# Altium PCB Array.PcbDoc (continued)
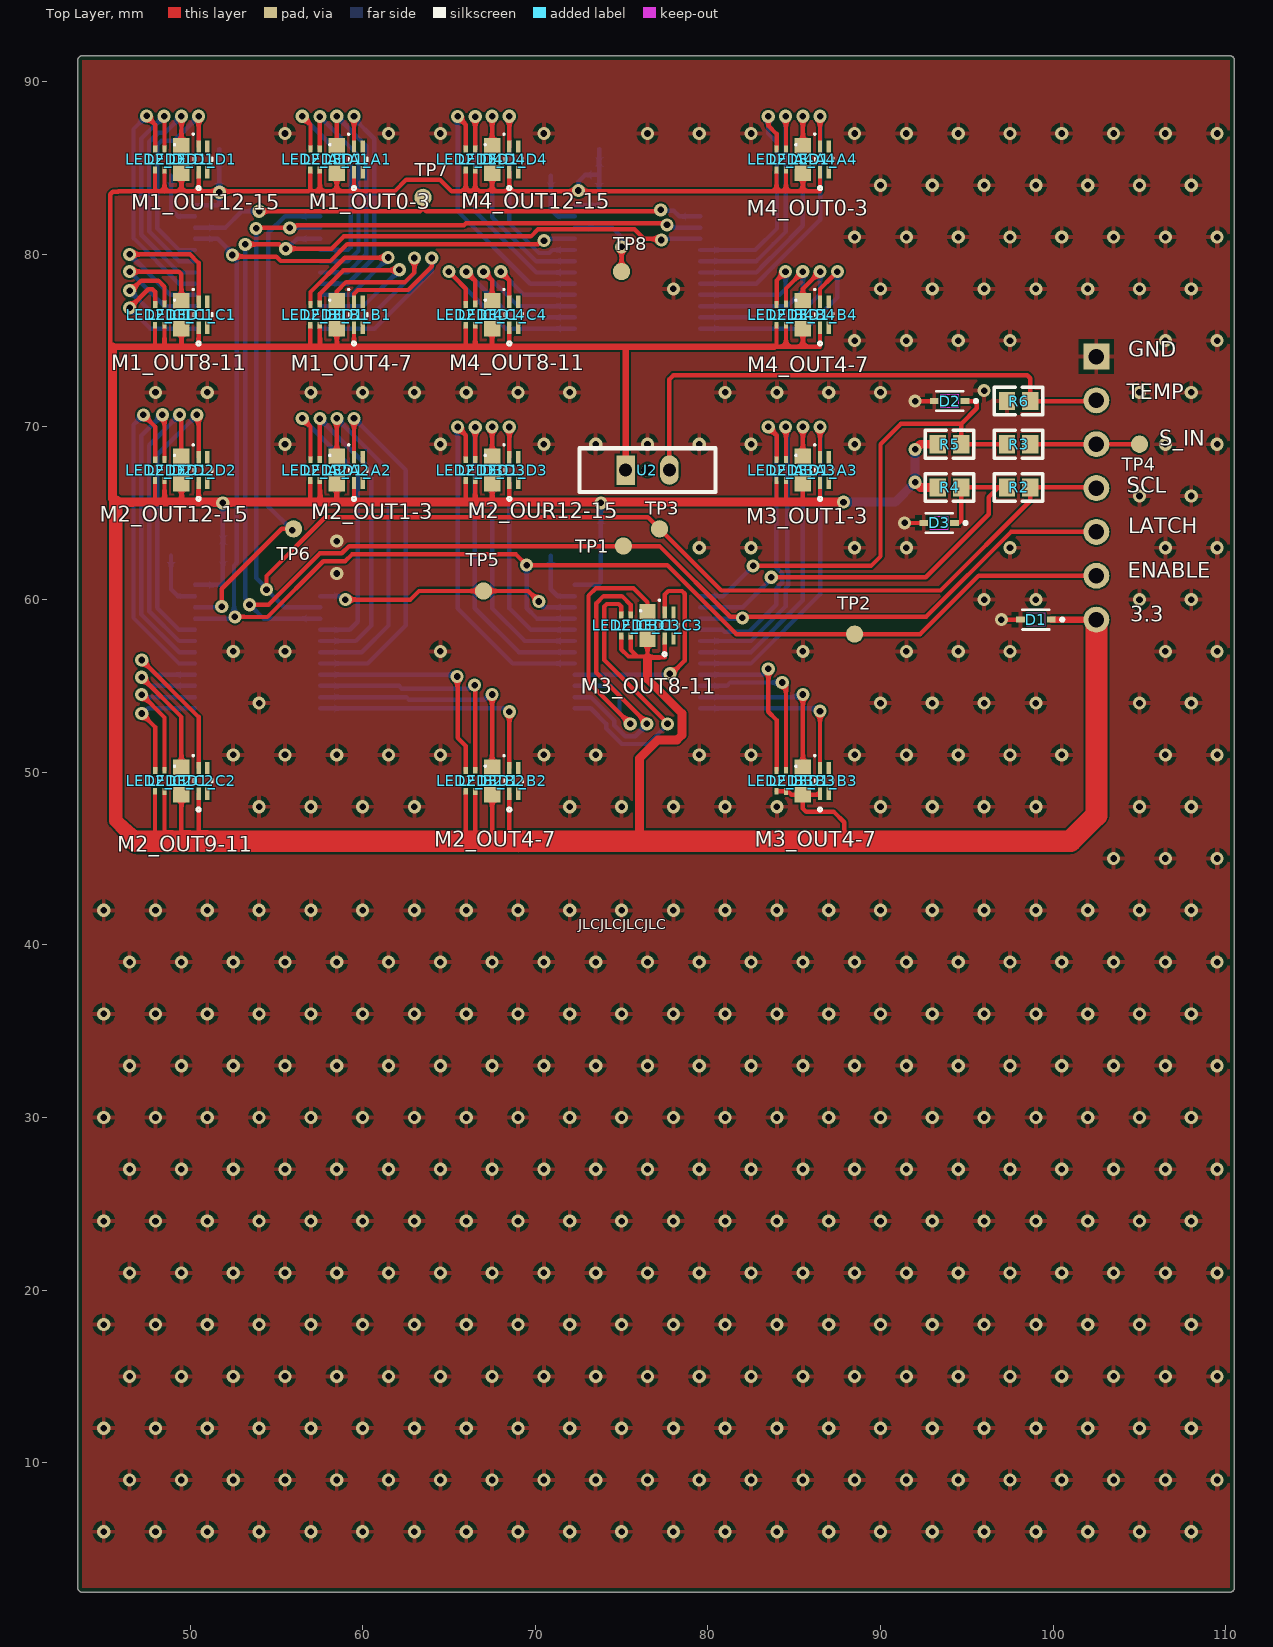
[diagram p0: Top Layer view]
## Part data
C1_M1 C1_M2 C1_M3 C1_M4 C2_M1 C2_M2 C2_M3 C2_M4: library part CMP-001-00000-10, "Non-polarized capacitor"
D1 D2 D3: library part CMP-245-000001-7, "3.3V ESD Diode", Mfr_Name="Eaton / Cooper Bussmann", Copyright="Copyright (C) 2023 Ultra Librarian. All rights reserved.", Design Item ID=STS521033B950, Manufacturer_Part_Number=STS521033B950, RefDes=RefDes, Source=STS521033B950.SchLib, Type=DEV
LED1_A1 LED1_A2 LED1_A3 LED1_A4 LED1_B1 LED1_B2 LED1_B3 LED1_B4 LED1_C1 LED1_C2 LED1_C3 LED1_C4 LED1_D1 LED1_D2 LED1_D3 LED1_D4: library part CMP-007-00006-3, "Dual Color LED, Super Bright Orange/green, Water Clear, 1.6mm", Mfr_Name=Kingbright, Design Item ID=APHB1608CGKSEKC, RoHS Compliant=Yes, Source=APHB1608CGKSEKC.SchLib
LED2_A1 LED2_A2 LED2_A3 LED2_A4 LED2_B1 LED2_B2 LED2_B3 LED2_B4 LED2_C1 LED2_C2 LED2_C3 LED2_C4 LED2_D1 LED2_D2 LED2_D3 LED2_D4: library part CMP-007-00009-2, "Blue, Red 470nm Blue, 630nm Red LED Indication - Discrete 3.1V Blue, 2V Red 0603 (1608 Metric)"
LED3_A1 LED3_A2 LED3_A3 LED3_A4 LED3_B1 LED3_B2 LED3_B3 LED3_B4 LED3_C1 LED3_C2 LED3_C3 LED3_C4 LED3_D1 LED3_D2 LED3_D3 LED3_D4: library part CMP-007-00008-2, "Infrared (IR) Emitter 850nm 1.7V 100mA 23mW/sr @ 100mA (Typ) 80° 0603 (1608 Metric)"
P1: library part CMP-005-000112-1, "Header, 7-Pin", Component Type=Standard, Design Item ID="Header 7", LatestRevisionDate=17-Jul-2002, LatestRevisionNote="Re-released for DXP Platform.", Pin Count=7, Publisher="Altium Limited", Source="Miscellaneous Connectors.SchLib"
R1_M1 R1_M2 R1_M3 R1_M4 R2 R3 R4 R5 R6: library part CMP-009-00002-14
TP1 TP2 TP3 TP4 TP5 TP6 TP7 TP8: library part CMP-002-00006-5, "In circuit test point for a net"
U1_M1 U1_M2 U1_M3 U1_M4: library part CMP-184-000001-2, "LED Driver IC 16 Output Linear Shift Register No Dimming 25.2mA 24-eTSSOP", Mfr_Name="Lumissil Microsystems", Design Item ID=IS31FL3726A-SALS4-TR, RefDes=RefDes, Source=IS31FL3726A-SALS4-TR.SchLib, Type=Type
U2: library part CMP-010-00023-4, "Serial Switch/Digital Sensor, 13 Bit(s), 0.75Cel, Rectangular, Through Hole Mount", Max Operating Temperature=125°C, Max Supply Voltage=5.5V, Min Operating Temperature=-40°C, Min Supply Voltage=2V, Datasheet=https://www.ti.com/lit/ds/symlink/lmt01-q1.pdf?HQS=dis-dk-null-digikeymode-dsf-pf-null-wwe&ts=1697411055213&ref_url=https%253A%252F%252Fwww.ti.com%252Fgeneral%252Fdocs%252Fsuppproductinfo.tsp%253FdistId%253D10%2526gotoUrl%253Dhttps%253A%252F%252Fwww.ti.com%252Flit%252Fgpn%252Flmt01-q1, Mounting Technology="Through Hole", RoHS Compliant=Yes, Sensor Type="TEMPERATURE SENSOR,SWITCH/DIGITAL OUTPUT,SERIAL"

## Via types
v1: diameter 0.762, hole 0.381, Top Layer to Bottom Layer, tented both sides, 515 vias
v2: diameter 0.762/0.762 (per signal layer), hole 0.381, Top Layer to Bottom Layer, tented both sides, 1 vias

## Nets (pads, with @x,y where several pads share a name; then routed paths per layer and width w, separated by ;. In a path a pad name is that pad's centre, name@x,y a point inside that pad or via, vN(x,y) a via of type N, cw(c..) or ccw(c..) an arc to the next point about the centre after c; other vN are vias at no path point)
+3.3: C1_M1.1 C1_M2.1 C1_M3.1 C1_M4.1 C2_M1.1 C2_M2.1 C2_M3.1 C2_M4.1 D1.1 LED1_A1.1 LED1_A2.1 LED1_A3.1 LED1_A4.1 LED1_B1.1 LED1_B2.1 LED1_B3.1 LED1_B4.1 LED1_C1.1 LED1_C2.1 LED1_C3.1 LED1_C4.1 LED1_D1.1 LED1_D2.1 LED1_D3.1 LED1_D4.1 LED2_A1.1 LED2_A1.2 LED2_A2.1 LED2_A2.2 LED2_A3.1 LED2_A3.2 LED2_A4.1 LED2_A4.2 LED2_B1.1 LED2_B1.2 LED2_B2.1 LED2_B2.2 LED2_B3.1 LED2_B3.2 LED2_B4.1 LED2_B4.2 LED2_C1.1 LED2_C1.2 LED2_C2.1 LED2_C2.2 LED2_C3.1 LED2_C3.2 LED2_C4.1 LED2_C4.2 LED2_D1.1 LED2_D1.2 LED2_D2.1 LED2_D2.2 LED2_D3.1 LED2_D3.2 LED2_D4.1 LED2_D4.2 LED3_A1.2 LED3_A2.2 LED3_A3.2 LED3_A4.2 LED3_B1.2 LED3_B2.2 LED3_B3.2 LED3_B4.2 LED3_C1.2 LED3_C2.2 LED3_C3.2 LED3_C4.2 LED3_D1.2 LED3_D2.2 LED3_D3.2 LED3_D4.2 P1.7 R4.1 R5.1 U1_M1.24 U1_M2.24 U1_M3.24 U1_M4.24 U2.1 | length 380.6
  Top Layer w0.254: 45.444,74.645 45.381,74.645 45.381,83.474 45.53,83.623 45.826,83.623 45.849,83.645 48.092,83.645 ; LED2_C2.2 47.973,46.027 48,46 ; 47.973,65.764 LED2_D2.2 ; LED2_C1.2 47.973,74.764 48.092,74.645 ; LED2_D1.2 47.973,83.764 48.092,83.645 ; LED2_C2.1 48.522,46.478 49,46 ; 48.522,65.645 LED2_D2.1 ; 48.522,74.645 LED2_C1.1 ; LED2_D1.1 48.522,83.645 ; LED3_C2.2 49.5,46.5 50,46 ; 49.5,65.645 LED3_D2.2 ; 49.5,74.645 LED3_C1.2 ; LED3_D1.2 49.5,83.645 ; LED1_C2.1 50.496,46.504 51,46 ; 50.496,65.645 LED1_D2.1 ; 50.496,74.645 LED1_C1.1 ; LED1_D1.1 50.496,83.645 ; v1(51.9,65.6) v1@51.945,65.645 ; LED2_A2.2 56.973,65.764 57.092,65.645 ; LED2_B1.2 56.973,74.764 57.092,74.645 ; LED2_A1.2 56.973,83.764 57.092,83.645 ; 57.522,65.645 LED2_A2.1 ; 57.522,74.645 LED2_B1.1 ; LED2_A1.1 57.522,83.645 ; 58.5,65.645 LED3_A2.2@58.5,66.7 ; 58.5,74.645 LED3_B1.2@58.5,75.7 ; LED3_A1.2@58.5,84.7 58.5,83.645 ; 59.496,65.645 LED1_A2.1 ; 59.496,74.645 LED1_B1.1 ; LED1_A1.1 59.496,83.645 ; LED2_B2.2 65.973,46.027 66,46 ; LED2_D3.2 65.973,65.764 66.092,65.645 ; LED2_C4.2 65.973,74.764 66.092,74.645 ; LED2_D4.2 65.973,83.645 ; LED2_B2.1 66.522,46.478 67,46 ; 66.522,65.645 LED2_D3.1 ; 66.522,74.645 LED2_C4.1 ; LED2_D4.1 66.522,83.645 ; LED3_B2.2 67.5,46.5 68,46 ; 67.5,65.645 LED3_D3.2 ; 67.5,74.645 LED3_C4.2 ; LED3_D4.2 67.5,83.645 ; LED1_B2.1 68.496,46.504 69,46 ; 68.496,65.645 LED1_D3.1 ; 68.496,74.645 LED1_C4.1 ; LED1_D4.1 68.496,83.645 ; LED2_C3.2 74.973,57.127 75.4,56.7 75.923,56.7 ; LED2_C3.1 75.522,57.1 75.923,56.7 ; LED3_C3.2 76.5,56.645 ; LED1_C3.1 77.496,56.645 76.5,56.645 ; LED2_B3.2 84.098,48.895 84.101,48.892 LED2_B3.1 84.647,48.892 84.839,48.7 LED3_B3.2 ; LED2_A3.2@83.973,66.822 83.973,65.705 84.032,65.645 ; LED2_B4.2 83.973,74.764 83.854,74.645 84.522,74.645 ; LED2_A4.2@83.973,84.822 83.973,83.645 ; 84.522,65.645 LED2_A3.1 ; LED2_B4.1 84.522,74.645 ; LED2_A4.1 84.522,83.645 ; 85.5,65.645 LED3_A3.2 ; LED3_B4.2 85.5,74.645 ; LED3_A4.2 85.5,83.645 ; 86.318,48.7 LED3_B3.2 ; LED1_B3.1@86.369,48.751 LED1_B3.1 ; 86.496,65.645 LED1_A3.1 ; LED1_B4.1 86.496,74.645 85.5,74.645 ; LED1_A4.1 86.496,83.645 85.5,83.645 ; 88,46 87.9,46.1 87.9,47.1 87.3,47.7 85.7,47.7 85.5,47.9 LED3_B3.2 ; 48.092,83.645 48.522,83.645 ; 48.522,83.645 49.5,83.645 ; 49.5,83.645 50.496,83.645 ; 50.496,83.645 57.092,83.645 ; 57.092,83.645 57.522,83.645 ; 57.522,83.645 58.5,83.645 ; 58.5,83.645 59.496,83.645 ; 59.496,83.645 61.845,83.645 62.53,84.33 64.47,84.33 65.155,83.645 65.973,83.645 ; 65.973,83.645 66.522,83.645 ; 66.522,83.645 67.5,83.645 ; 67.5,83.645 68.496,83.645 ; 68.496,83.645 72.445,83.645 v1(72.5,83.7) 72.555,83.645 83.973,83.645 ; 75.923,56.7 76.445,56.7 76.5,56.645 ; 83.973,83.645 84.522,83.645 ; 84.522,74.645 85.5,74.645 ; 84.522,83.645 85.5,83.645
  Top Layer w0.381: 45.444,74.645 45.508,74.645 48.092,74.645 48.522,74.645 49.5,74.645 50.496,74.645 57.092,74.645 57.522,74.645 58.5,74.645 59.496,74.645 66.092,74.645 66.522,74.645 67.5,74.645 68.496,74.645 75.23,74.645 ; U2.1 75.23,74.645 ; 83.854,74.645 75.23,74.645 ; D1.1 P1.7
  Top Layer w0.508: 45.508,74.645 45.508,65.837 45.7,65.645 48.522,65.645 49.5,65.645 50.496,65.645 51.945,65.645 57.092,65.645 57.522,65.645 58.5,65.645 59.496,65.645 62.305,65.645 62.309,65.649 65.117,65.649 65.121,65.645 66.092,65.645 66.522,65.645 67.5,65.645 68.496,65.645 v1@73.8,65.645 ; v1(73.8,65.6) 73.845,65.645 84.032,65.645 84.522,65.645 85.5,65.645 86.496,65.645 v1(87.855,65.645) ; 76.041,46 76.041,50.805 77.098,51.862 78.202,51.862 78.5,52.159 78.5,53.4 76.5,55.4 76.5,56.645 ; v1(92,66.798) 92.298,66.5 R4.1 ; v1(92,68.702) 92.298,69 R5.1
  Top Layer w0.762: 45.7,65.645 45.7,47.189 46.889,46
  Top Layer w1.27: 46.889,46 48,46 49,46 50,46 51,46 66,46 67,46 68,46 69,46 76.041,46 88,46 101,46 102.5,47.5 P1.7
  Bottom Layer w0.254: U1_M2.24 51.781,60.85 51.9,60.969 C2_M2.1 C1_M2.1 51.9,64.8 v1(51.9,65.6) ; U1_M1.24 51.581,82.85 51.7,82.969 C1_M1.1 C2_M1.1 ; U1_M3.24 73.651,60.85 73.8,60.999 C1_M3.1 v1(73.8,65.6) ; U1_M4.24 73.581,82.85 73.7,82.969 C1_M4.1 C2_M4.1 ; v1(72.5,83.7) 72.5,84.2 72.9,84.6 C1_M4.1
  Bottom Layer w0.508: v1(87.855,65.645) 90.848,65.645 v1(92,66.798) v1(92,68.702)
  other v1: 51.7,83.6
ENABLE: P1.6 TP2.1 U1_M1.21 U1_M2.21 U1_M3.21 U1_M4.21 | length 107
  Top Layer w0.254: v1(52.453,79.961) 52.55,79.864 55.004,79.864 55.252,79.617 58.131,79.617 59.098,80.583 70.157,80.583 70.368,80.794 v1(70.505,80.794) ; v1(52.6,59) 53.141,59 53.15,58.991 54.485,58.991 57.715,62.22 58.984,62.22 59.38,62.616 68.884,62.616 v1(69.5,62) 69.587,61.913 69.673,62 77.647,62 81.647,58 TP2.1 92.302,58 95.682,61.38 P1.6
  Bottom Layer w0.254: U1_M2.21 51.52,58.9 51.541,58.879 52.342,58.879 52.463,59 v1(52.6,59) 52.548,59.052 52.548,61.976 52.705,62.133 52.705,79.657 52.5,79.863 v1@52.5,80 ; U1_M1.21 51.6,80.9 52.453,80.047 v1(52.453,79.961) ; v1(69.5,62) 69.5,59.5 70.1,58.9 U1_M3.21 ; v1(70.505,80.794) 70.643,80.794 70.749,80.9 U1_M4.21
GND: C1_M1.2 C1_M2.2 C1_M3.2 C1_M4.2 C2_M1.2 C2_M2.2 C2_M3.2 C2_M4.2 D1.2 D2.2 D3.2 P1.1 R1_M1.2 R1_M2.2 R1_M3.2 R1_M4.2 R6.1 U1_M1.1 U1_M2.1 U1_M3.1 U1_M4.1 | length 3.5
  Top Layer w0.254: v1(91.396,64.44) D3.2@92.571,64.44 ; v1(92,71.5) D2.2@93.175,71.5 ; v1(97,58.84) D1.2@98.175,58.84
  other v1: 45,6 48,6 51,6 54,6 57,6 60,6 63,6 66,6 69,6 72,6 75,6 78,6 81,6 84,6 87,6 90,6 93,6 96,6 99,6 102,6 105,6 108,6 46.5,9 49.5,9 52.5,9 55.5,9 58.5,9 61.5,9 64.5,9 67.5,9 70.5,9 73.5,9 76.5,9 79.5,9 82.5,9 85.5,9 88.5,9 91.5,9 94.5,9 97.5,9 100.5,9 103.5,9 106.5,9 109.5,9 45,12 48,12 51,12 54,12 57,12 60,12 63,12 66,12 69,12 72,12 75,12 78,12 81,12 84,12 87,12 90,12 93,12 96,12 99,12 102,12 105,12 108,12 46.5,15 49.5,15 52.5,15 55.5,15 58.5,15 61.5,15 64.5,15 67.5,15 70.5,15 73.5,15 76.5,15 79.5,15 82.5,15 85.5,15 88.5,15 91.5,15 94.5,15 97.5,15 100.5,15 103.5,15 106.5,15 109.5,15 45,18 48,18 51,18 54,18 57,18 60,18 63,18 66,18 69,18 72,18 75,18 78,18 81,18 84,18 87,18 90,18 93,18 96,18 99,18 102,18 105,18 108,18 46.5,21 49.5,21 52.5,21 55.5,21 58.5,21 61.5,21 64.5,21 67.5,21 70.5,21 73.5,21 76.5,21 79.5,21 82.5,21 85.5,21 88.5,21 91.5,21 94.5,21 97.5,21 100.5,21 103.5,21 106.5,21 109.5,21 45,24 48,24 51,24 54,24 57,24 60,24 63,24 66,24 69,24 72,24 75,24 78,24 81,24 84,24 87,24 90,24 93,24 96,24 99,24 102,24 105,24 108,24 46.5,27 49.5,27 52.5,27 55.5,27 58.5,27 61.5,27 64.5,27 67.5,27 70.5,27 73.5,27 76.5,27 79.5,27 82.5,27 85.5,27 88.5,27 91.5,27 94.5,27 97.5,27 100.5,27 103.5,27 106.5,27 109.5,27 45,30 48,30 51,30 54,30 57,30 60,30 63,30 66,30 69,30 72,30 75,30 78,30 81,30 84,30 87,30 90,30 93,30 96,30 99,30 102,30 105,30 108,30 46.5,33 49.5,33 52.5,33 55.5,33 58.5,33 61.5,33 64.5,33 67.5,33 70.5,33 73.5,33 76.5,33 79.5,33 82.5,33 85.5,33 88.5,33 91.5,33 94.5,33 97.5,33 100.5,33 103.5,33 106.5,33 109.5,33 45,36 48,36 51,36 54,36 57,36 60,36 63,36 66,36 69,36 72,36 75,36 78,36 81,36 84,36 87,36 90,36 93,36 96,36 99,36 102,36 105,36 108,36 46.5,39 49.5,39 52.5,39 55.5,39 58.5,39 61.5,39 64.5,39 67.5,39 73.5,39 76.5,39 79.5,39 82.5,39 85.5,39 88.5,39 91.5,39 94.5,39 97.5,39 100.5,39 103.5,39 106.5,39 109.5,39 45,42 48,42 51,42 54,42 57,42 60,42 63,42 66,42 69,42 72,42 75,42 78,42 81,42 84,42 87,42 90,42 93,42 96,42 99,42 102,42 105,42 108,42 103.5,45 106.5,45 109.5,45 54,48 57,48 60,48 63,48 72,48 75,48 78,48 81,48 84,48 90,48 93,48 96,48 99,48 105,48 108,48 52.5,51 55.5,51 58.5,51 61.5,51 64.5,51 70.5,51 73.5,51 79.5,51 82.5,51 88.5,51 91.5,51 94.5,51 97.5,51 100.5,51 106.5,51 109.5,51 54,54 90,54 93,54 96,54 99,54 105,54 108,54 52.5,57 55.5,57 64.5,57 85.5,57 91.5,57 94.5,57 97.5,57 106.5,57 109.5,57 96,60 99,60 105,60 108,60 58.5,61.509 79.5,63 82.5,63 88.5,63 91.5,63 97.5,63 106.5,63 109.5,63 58.5,63.389 105,66 108,66 55.5,69 64.5,69 70.5,69 73.5,69 76.5,69 79.5,69 82.5,69 88.5,69 106.5,69 109.5,69 48,72 51,72 57,72 60,72 63,72 66,72 69,72 72,72 81,72 84,72 87,72 90,72 105,72 108,72 96,72.108 88.5,75 91.5,75 94.5,75 97.5,75 106.5,75 109.5,75 78,78 90,78 93,78 96,78 99,78 102,78 105,78 108,78 88.5,81 91.5,81 94.5,81 97.5,81 100.5,81 103.5,81 106.5,81 109.5,81 90,84 93,84 96,84 99,84 102,84 105,84 108,84 55.5,87 61.5,87 64.5,87 70.5,87 76.5,87 79.5,87 82.5,87 88.5,87 91.5,87 94.5,87 97.5,87 100.5,87 103.5,87 106.5,87 109.5,87
  other v2: 70.5,39
LATCH: P1.5 TP1.1 U1_M1.4 U1_M2.4 U1_M3.4 U1_M4.4 | length 111.5
  Top Layer w0.254: v1(53.197,80.576) 55.161,80.576 55.409,80.328 58.196,80.328 58.909,81.04 69.746,81.04 70.156,81.451 75.749,81.451 76.3,80.9 77.237,80.9 v1(77.308,80.829) ; v1(53.445,59.702) 53.454,59.711 54.559,59.711 57.525,62.678 58.795,62.678 59.217,63.1 75.032,63.1 TP1.1@75.066,63.134 ; TP1.1 77.193,63.1 81.293,59 81.942,59 v1(82,58.942) ; v1@82,59 92.64,59 97.56,63.92 P1.5
  Bottom Layer w0.254: v1(53.197,80.576) 53.197,60.087 53.445,59.839 v1(53.445,59.702) ; v1@53.445,59.67 53.491,59.67 54.262,58.9 U1_M2.4 ; v1(55.547,80.328) 55.709,80.49 55.716,80.49 55.884,80.658 55.964,80.658 56.206,80.9 U1_M1.4 ; v1(77.308,80.829) 77.378,80.9 U1_M4.4 ; U1_M3.4 81.958,58.9 v1(82,58.942)
NetR1_M1_1: R1_M1.1 U1_M1.23 | length 3.5
  Bottom Layer w0.254: R1_M1.1 48.9,82.6 49.3,82.2 U1_M1.23
NetR1_M2_1: R1_M2.1 U1_M2.23 | length 3.5
  Bottom Layer w0.254: R1_M2.1 48.9,60.6 49.3,60.2 U1_M2.23
NetR1_M3_1: R1_M3.1 U1_M3.23 | length 3.5
  Bottom Layer w0.254: R1_M3.1 70.9,60.6 71.3,60.2 U1_M3.23
NetR1_M4_1: R1_M4.1 U1_M4.23 | length 3.5
  Bottom Layer w0.254: R1_M4.1 70.9,82.6 71.3,82.2 U1_M4.23
OUT0_D11: LED2_A1.3 U1_M1.6 | length 13
  Top Layer w0.254: LED2_A1.3 v1@57.522,87.978
  Bottom Layer w0.254: v1(57.52,87.98) 57.52,87.974 57.786,87.708 57.786,87.703 59.757,85.731 59.757,80.209 59.148,79.6 U1_M1.6
OUT0_D12: LED2_A2.3 U1_M2.6 | length 18.9
  Top Layer w0.254: LED2_A2.3 v1@57.522,70.483
  Bottom Layer w0.254: v1(57.52,70.484) 57.52,70.479 60.5,67.499 60.5,58.5 59.6,57.6 U1_M2.6
OUT0_D13: LED2_A3.3 U1_M3.6 | length 18.2
  Top Layer w0.254: v1(84.502,70.002) 84.522,69.982 LED2_A3.3
  Bottom Layer w0.254: U1_M3.6 82.498,57.6 84.502,59.604 84.502,60.675 84.664,60.837 84.664,61.634 84.6,61.699 84.6,69.905 v1(84.502,70.002)
OUT0_D14: LED2_A4.3 U1_M4.6 | length 14.3
  Top Layer w0.254: v1(84.5,88) 84.522,87.978 LED2_A4.3
  Bottom Layer w0.254: U1_M4.6 82.801,79.6 82.872,79.67 82.872,79.676 83.824,80.628 83.83,80.628 84.5,81.299 v1(84.5,88)
OUT1_D11: LED1_A1.2 U1_M1.8 | length 14.2
  Top Layer w0.254: LED1_A1.2 59.496,87.996 v1(59.5,88)
  Bottom Layer w0.254: U1_M1.8 59.141,78.3 60.672,79.831 60.672,86.698 59.5,87.87 v1(59.5,88)
OUT1_D12: LED1_A2.2 U1_M2.8 | length 21.4
  Top Layer w0.254: LED1_A2.2 59.496,70.496 v1(59.5,70.5)
  Bottom Layer w0.254: U1_M2.8 60.3,56.3 62.5,58.5 62.5,67.5 v1(59.5,70.5)
OUT1_D13: LED1_A3.2 U1_M3.8 | length 20.1
  Top Layer w0.254: LED1_A3.2 86.496,69.996 v1(86.5,70)
  Bottom Layer w0.254: U1_M3.8 82.491,56.3 86.5,60.309 v1(86.5,70)
OUT1_D14: LED1_A4.2 U1_M4.8 | length 16.2
  Top Layer w0.254: LED1_A4.2 86.496,87.996 v1(86.5,88)
  Bottom Layer w0.254: U1_M4.8 82.794,78.3 83.786,79.292 83.786,79.297 84.203,79.714 84.208,79.714 86.5,82.006 v1(86.5,88)
OUT2_D11: LED2_A1.4 U1_M1.5 | length 12.7
  Top Layer w0.254: v1(56.497,87.997) 56.978,87.516 LED2_A1.4
  Bottom Layer w0.254: v1(56.497,87.997) 59.3,85.194 59.3,80.399 59.151,80.25 U1_M1.5
OUT2_D12: LED2_A2.4 U1_M2.5 | length 18.1
  Top Layer w0.254: v1(56.5,70.499) 56.978,70.021 LED2_A2.4
  Bottom Layer w0.254: v1(56.5,70.499) 59.711,67.288 59.711,58.711 59.25,58.25 U1_M2.5
OUT2_D13: LED2_A3.4 U1_M3.5 | length 18
  Top Layer w0.254: v1(83.5,70) 83.978,69.521 LED2_A3.4
  Bottom Layer w0.254: U1_M3.5 80.84,58.25 80.962,58.128 82.379,58.128 82.502,58.25 83.957,59.705 83.957,60.63 84.31,60.984 84.31,61.487 84.276,61.522 84.276,61.542 83.957,61.861 83.957,69.543 v1(83.5,70)
OUT2_D14: LED2_A4.4 U1_M4.5 | length 13.8
  Top Layer w0.254: v1(83.5,87.994) 83.5,87.456 83.978,86.978 LED2_A4.4
  Bottom Layer w0.254: U1_M4.5 82.75,80.25 84,81.5 84,86.5 83.5,87 v1(83.5,87.994)
OUT3_D11: LED3_A1.1 U1_M1.7 | length 13.5
  Top Layer w0.254: LED3_A1.1 v1@58.5,87.994
  Bottom Layer w0.254: U1_M1.7 59.144,78.95 60.214,80.02 60.214,86.28 v1(58.497,87.997)
OUT3_D12: LED3_A2.1 U1_M2.7 | length 20
  Top Layer w0.254: LED3_A2.1 58.5,70.494 v1(58.505,70.5)
  Bottom Layer w0.254: U1_M2.7 59.95,56.95 61.5,58.5 61.5,67.494 58.505,70.489 v1(58.505,70.5)
OUT3_D13: LED3_A3.1 U1_M3.7 | length 18.9
  Top Layer w0.254: LED3_A3.1 v1(85.5,70)
  Bottom Layer w0.254: U1_M3.7 82.495,56.95 85.5,59.955 v1(85.5,70)
OUT3_D14: LED3_A4.1 U1_M4.7 | length 15.1
  Top Layer w0.254: LED3_A4.1 v1(85.5,88)
  Bottom Layer w0.254: U1_M4.7 82.798,78.95 83.329,79.481 83.329,79.487 84.013,80.171 84.019,80.171 85.5,81.652 v1(85.5,88)
OUT4_D11: LED2_B1.3 U1_M1.10 | length 11.2
  Top Layer w0.254: LED2_B1.3 57.522,77.714 58.886,79.078 62.101,79.078 v1(62.127,79.103)
  Bottom Layer w0.254: U1_M1.10 60.049,77 62.127,79.078 v1(62.127,79.103)
OUT4_D12: LED2_B2.3 U1_M2.10 | length 14
  Top Layer w0.254: v1(66.485,55.046) 66.522,55.009 LED2_B2.3
  Bottom Layer w0.254: U1_M2.10 62.112,55 62.276,54.836 66.137,54.836 66.333,55.032 v1@66.47,55.032
OUT4_D13: LED2_B3.3 U1_M3.10 | length 10
  Top Layer w0.254: v1(84.305,55.195) 84.522,54.978 LED2_B3.3
  Bottom Layer w0.254: U1_M3.10 81.091,55 81.285,55.195 v1(84.305,55.195)
OUT4_D14: LED2_B4.3 U1_M4.10 | length 9.7
  Top Layer w0.254: LED2_B4.3 84.522,78.022 v1(85.497,78.997)
  Bottom Layer w0.254: U1_M4.10 84.6,77 85.497,77.897 v1(85.497,78.997)
OUT5_D11: LED1_B1.2 U1_M1.12 | length 14.7
  Top Layer w0.254: LED1_B1.2 59.496,77.705 59.726,77.935 62.636,77.935 64,79.299 v1(64,79.789)
  Bottom Layer w0.254: U1_M1.12 60.7,75.7 64,79 v1(64,79.789)
OUT5_D12: LED1_B2.2 U1_M2.12 | length 14.3
  Top Layer w0.254: LED1_B2.2 68.496,53.496 v1(68.5,53.5)
  Bottom Layer w0.254: U1_M2.12 68.163,53.7 68.363,53.5 v1(68.5,53.5)
OUT5_D13: LED1_B3.2 U1_M3.12 | length 10.3
  Top Layer w0.254: LED1_B3.2 v1(86.496,53.543)
  Bottom Layer w0.254: U1_M3.12 86.339,53.7 v1(86.496,53.543)
OUT5_D14: LED1_B4.2 U1_M4.12 | length 12.4
  Top Layer w0.254: LED1_B4.2 86.496,77.99 87.208,78.703 87.208,78.708 v1(87.5,79)
  Bottom Layer w0.254: U1_M4.12 85.7,75.7 87.5,77.5 v1(87.5,79)
OUT6_D11: LED2_B1.4 U1_M1.9 | length 10.9
  Top Layer w0.254: LED2_B1.4 56.978,77.817 58.963,79.802 61.461,79.802 v1(61.476,79.816)
  Bottom Layer w0.254: U1_M1.9 59.337,77.65 61.476,79.789 v1(61.476,79.816)
OUT6_D12: LED2_B2.4 U1_M2.9 | length 13.7
  Top Layer w0.254: v1@65.443,55.575 65.5,55.518 65.5,51.994 65.978,51.516 LED2_B2.4
  Bottom Layer w0.254: U1_M2.9 65.231,55.65 65.334,55.547 v1(65.472,55.547)
OUT6_D13: LED2_B3.4 U1_M3.9 | length 10.2
  Top Layer w0.254: v1(83.5,55.982) 83.5,53.5 83.978,53.022 LED2_B3.4
  Bottom Layer w0.254: U1_M3.9 80.826,55.65 80.828,55.652 83.17,55.652 v1(83.5,55.982)
OUT6_D14: LED2_B4.4 U1_M4.9 | length 8.2
  Top Layer w0.254: LED2_B4.4 83.978,78.484 v1(84.497,79.003)
  Bottom Layer w0.254: U1_M4.9 84.15,77.65 84.497,77.997 v1(84.497,79.003)
OUT7_D11: LED3_B1.1 U1_M1.11 | length 13.7
  Top Layer w0.254: LED3_B1.1 58.5,77.85 59.042,78.392 62.447,78.392 63,78.945 v1(63,79.789)
  Bottom Layer w0.254: U1_M1.11 60.429,76.35 63,78.921 v1(63,79.789)
OUT7_D12: LED3_B2.1 U1_M2.11 | length 14.3
  Top Layer w0.254: v1@67.403,54.403 v1(67.5,54.5) LED3_B2.1
  Bottom Layer w0.254: U1_M2.11 62.537,54.35 62.687,54.2 67.063,54.2 67.265,54.403 v1@67.403,54.403
OUT7_D13: LED3_B3.1 U1_M3.11 | length 10.2
  Top Layer w0.254: LED3_B3.1 v1(85.5,54.5)
  Bottom Layer w0.254: U1_M3.11 85.35,54.35 v1(85.5,54.5)
OUT7_D14: LED3_B4.1 U1_M4.11 | length 10.9
  Top Layer w0.254: LED3_B4.1 85.5,77.994 86.497,78.991 v1(86.497,78.997)
  Bottom Layer w0.254: U1_M4.11 85.15,76.35 86.497,77.697 v1(86.497,78.997)
OUT8_D11: LED2_C1.3 U1_M1.14 | length 7.9
  Top Layer w0.254: v1(46.5,77.9) 46.599,77.9 47.178,78.479 48.167,78.479 48.522,78.124 48.522,77.978 LED2_C1.3
  Bottom Layer w0.254: v1(46.5,77.9) 48.05,76.35 U1_M1.14
OUT8_D12: LED2_C2.3 U1_M2.14 | length 8.1
  Top Layer w0.254: v1(47.197,54.497) 48.522,53.172 LED2_C2.3
  Bottom Layer w0.254: v1(47.197,54.497) 47.335,54.497 47.482,54.35 U1_M2.14
OUT8_D13: LED2_C3.3 U1_M3.14 | length 16.7
  Top Layer w0.254: LED2_C3.3 75.522,59.7 75.019,60.203 73.959,60.203 73.543,59.787 73.543,55.763 76.465,52.841 v1(76.465,52.8)
  Bottom Layer w0.254: U1_M3.14 73.213,54.35 74.572,52.991 74.572,52.722 75.205,52.089 75.795,52.089 76.465,52.759 v1(76.465,52.8)
OUT8_D14: LED2_C4.3 U1_M4.14 | length 9.5
  Top Layer w0.254: v1(66.003,78.991) 66.003,78.986 66.522,78.466 LED2_C4.3
  Bottom Layer w0.254: v1(66.003,78.991) 66.289,78.705 66.289,78.7 68.638,76.35 U1_M4.14
OUT9_D11: LED1_C1.2 U1_M1.16 | length 11.2
  Top Layer w0.254: v1(46.5,80) 50,80 50.496,79.504 50.496,78 LED1_C1.2
  Bottom Layer w0.254: v1(46.5,80) 46.506,80 48.856,77.65 U1_M1.16
OUT9_D12: LED1_C2.2 U1_M2.16 | length 11.1
  Top Layer w0.254: v1(47.2,56.5) 50.496,53.204 LED1_C2.2
  Bottom Layer w0.254: v1(47.2,56.5) 48.05,55.65 U1_M2.16
OUT9_D13: LED1_C3.2 U1_M3.16 | length 13
  Top Layer w0.254: LED1_C3.2 77.496,60.296 77.7,60.5 78.5,60.5 78.664,60.336 78.664,56.464 77.9,55.7 v1(77.8,55.7)
  Bottom Layer w0.254: U1_M3.16 77.75,55.65 v1(77.8,55.7)
OUT9_D14: LED1_C4.2 U1_M4.16 | length 6.8
  Top Layer w0.254: v1(68,79) 68.496,78.504 LED1_C4.2
  Bottom Layer w0.254: v1(68,79) 69.35,77.65 U1_M4.16
OUT10_D11: LED2_C1.4 U1_M1.13 | length 7
  Top Layer w0.254: v1(46.497,76.897) 46.503,76.897 47.584,77.978 47.829,77.978 47.978,77.829 LED2_C1.4
  Bottom Layer w0.254: v1(46.497,76.897) 46.503,76.897 47.7,75.7 U1_M1.13
OUT10_D12: LED2_C2.4 U1_M2.13 | length 6.8
  Top Layer w0.254: v1(47.2,53.4) 47.978,52.622 LED2_C2.4
  Bottom Layer w0.254: v1(47.2,53.4) 47.28,53.4 47.58,53.7 U1_M2.13
OUT10_D13: LED2_C3.4 U1_M3.13 | length 16.8
  Top Layer w0.254: LED2_C3.4 74.978,59.597 74.829,59.746 74.149,59.746 74,59.597 74,56.5 77.662,52.838 v1(77.662,52.8)
  Bottom Layer w0.254: U1_M3.13 73.213,53.7 74.115,52.799 74.115,52.533 75.016,51.632 76.532,51.632 77.662,52.762 v1(77.662,52.8)
OUT10_D14: LED2_C4.4 U1_M4.13 | length 11
  Top Layer w0.254: v1(65,79) 65.292,78.708 65.292,78.697 65.978,78.01 LED2_C4.4
  Bottom Layer w0.254: v1(65,79) 65,78.994 65.292,78.703 65.292,78.697 68.288,75.7 U1_M4.13
OUT11_D11: LED3_C1.1 U1_M1.15 | length 9.2
  Top Layer w0.254: v1(46.5,79) 49.351,79 49.5,78.851 49.5,78 LED3_C1.1
  Bottom Layer w0.254: v1(46.5,79) 46.783,78.717 46.795,78.717 47.647,77.864 47.647,77.853 48.5,77 U1_M1.15
OUT11_D12: LED3_C2.1 U1_M2.15 | length 9.5
  Top Layer w0.254: v1(47.197,55.497) 47.203,55.497 49.5,53.2 LED3_C2.1
  Bottom Layer w0.254: v1(47.197,55.497) 47.203,55.497 47.7,55 U1_M2.15
OUT11_D13: LED3_C3.1 U1_M3.15 | length 17.7
  Top Layer w0.254: v1(75.5,52.8) 73.086,55.214 73.086,60.23 73.516,60.66 75.69,60.66 76.5,59.85 LED3_C3.1
  Bottom Layer w0.254: U1_M3.15 74.361,55 74.882,54.479 74.882,53.418 v1(75.5,52.8)
OUT11_D14: LED3_C4.1 U1_M4.15 | length 8
  Top Layer w0.254: v1(67,78.994) 67.5,78.494 LED3_C4.1
  Bottom Layer w0.254: v1(67,78.994) 68.994,77 U1_M4.15
OUT12_D11: LED2_D1.3 U1_M1.18 | length 13.3
  Top Layer w0.254: v1(48.5,88) 48.522,87.978 LED2_D1.3
  Bottom Layer w0.254: v1(48.5,88) 47.995,87.495 47.968,87.495 47.18,86.707 47.18,81.132 49.362,78.95 U1_M1.18
OUT12_D12: LED2_D2.3 U1_M2.18 | length 18.7
  Top Layer w0.254: v1(48.397,70.703) 48.397,70.565 48.522,70.44 LED2_D2.3
  Bottom Layer w0.254: v1(48.397,70.703) 47.18,69.486 47.18,59.139 49.369,56.95 U1_M2.18
OUT12_D13: LED2_D3.3 U1_M3.18 | length 19.2
  Top Layer w0.254: LED2_D3.3 v1(66.522,69.983)
  Bottom Layer w0.254: v1(66.522,69.983) 66.503,70.002 66.5,70 66.5,59.5 69.05,56.95 U1_M3.18
OUT12_D14: LED2_D4.3 U1_M4.18 | length 14.6
  Top Layer w0.254: LED2_D4.3 v1(66.522,87.978)
  Bottom Layer w0.254: v1(66.522,87.978) 66.522,82.478 70.05,78.95 U1_M4.18
OUT13_D11: LED1_D1.2 U1_M1.20 | length 12.4
  Top Layer w0.254: LED1_D1.2 50.496,87.996 50.5,88 v1@50.5,87.994
  Bottom Layer w0.254: U1_M1.20 49.362,80.25 48.095,81.518 48.095,86.328 48.347,86.58 49.086,86.58 v1@50.5,87.994
  other v1: 50.5,87.997
OUT13_D12: LED1_D2.2 U1_M2.20 | length 17.3
  Top Layer w0.254: v1(50.4,70.7) 50.496,70.604 LED1_D2.2
  Bottom Layer w0.254: U1_M2.20 49.362,58.25 48.095,59.518 48.095,68.395 v1(50.4,70.7)
OUT13_D13: LED1_D3.2 U1_M3.20 | length 16.6
  Top Layer w0.254: LED1_D3.2 v1(68.496,69.996)
  Bottom Layer w0.254: v1(68.496,69.996) 68.5,70 68.5,59.5 69.75,58.25 U1_M3.20
OUT13_D14: LED1_D4.2 U1_M4.20 | length 12.5
  Top Layer w0.254: LED1_D4.2 v1(68.496,87.996)
  Bottom Layer w0.254: v1(68.496,87.996) 68.5,88 68.5,81.793 70.216,80.078 70.811,80.078 70.984,80.25 U1_M4.20
OUT14_D11: LED2_D1.4 U1_M1.17 | length 14.2
  Top Layer w0.254: v1(47.485,88.016) 47.485,88.009 47.978,87.516 LED2_D1.4
  Bottom Layer w0.254: v1(47.485,88.016) 46.723,87.255 46.723,80.939 49.362,78.3 U1_M1.17
OUT14_D12: LED2_D2.4 U1_M2.17 | length 19.5
  Top Layer w0.254: v1(47.3,70.7) 47.978,70.022 LED2_D2.4
  Bottom Layer w0.254: v1(47.3,70.7) 46.723,70.123 46.723,58.939 49.362,56.3 U1_M2.17
OUT14_D13: LED2_D3.4 U1_M3.17 | length 20.7
  Top Layer w0.254: v1(65.5,69.999) 65.978,69.521 LED2_D3.4
  Bottom Layer w0.254: v1(65.5,69.999) 65.5,59.5 68.7,56.3 U1_M3.17
OUT14_D14: LED2_D4.4 U1_M4.17 | length 16.1
  Top Layer w0.254: v1(65.5,87.994) 65.978,87.516 LED2_D4.4
  Bottom Layer w0.254: v1(65.5,87.994) 65.5,82.506 69.706,78.3 U1_M4.17
OUT15_D11: LED3_D1.1 U1_M1.19 | length 12.7
  Top Layer w0.254: LED3_D1.1 49.5,87.192 49.504,87.196 49.504,87.996 v1(49.5,88) v1@49.5,87.994
  Bottom Layer w0.254: v1@49.5,87.994 48.543,87.037 48.157,87.037 47.638,86.518 47.638,81.325 49.362,79.6 U1_M1.19
OUT15_D12: LED3_D2.1 U1_M2.19 | length 17.9
  Top Layer w0.254: v1(49.397,70.703) 49.397,70.565 49.5,70.463 LED3_D2.1
  Bottom Layer w0.254: v1(49.397,70.703) 49.397,70.697 47.638,68.938 47.638,59.328 49.366,57.6 U1_M2.19
OUT15_D13: LED3_D3.1 U1_M3.19 | length 17.8
  Top Layer w0.254: LED3_D3.1 v1(67.5,70)
  Bottom Layer w0.254: v1(67.5,70) 67.5,59.5 69.4,57.6 U1_M3.19
OUT15_D14: LED3_D4.1 U1_M4.19 | length 13.4
  Top Layer w0.254: LED3_D4.1 v1(67.5,88)
  Bottom Layer w0.254: v1(67.5,88) 67.5,82.147 70.047,79.6 U1_M4.19
SCL: P1.4 R2.2 TP3.1 U1_M1.3 U1_M2.3 U1_M4.3 | length 107.4
  Top Layer w0.254: v1@53.823,81.458 53.848,81.483 54.077,81.483 54.127,81.534 v1(55.778,81.534) 55.876,81.631 56.126,81.631 56.181,81.686 65.869,81.686 65.987,81.805 77.535,81.805 v1(77.632,81.708) ; v1(54.432,60.579) 54.432,61.366 57.836,64.77 76.53,64.77 TP3.1 80.772,60.528 93.472,60.528 98.675,65.731 R2.2 102.46,66.5 P1.4
  Bottom Layer w0.254: v1(53.832,81.505) 53.832,61.251 54.432,60.651 v1(54.432,60.579) 55.461,59.55 U1_M2.3 ; v1@55.728,81.534 55.744,81.55 U1_M1.3 ; v1@77.699,81.686 77.796,81.589 78.009,81.589 78.049,81.55 U1_M4.3
SCL_M3: D3.1 R2.1 R4.2 U1_M3.3 | length 25.8
  Top Layer w0.254: v1(83.668,61.29) 92.616,61.29 96.266,64.94 96.266,65.938 96.828,66.5 ; D3.1 94.539,64.44 94.675,64.576 R4.2 96.828,66.5 ; R2.1 96.828,66.5
  Bottom Layer w0.254: U1_M3.3 82.017,59.55 83.668,61.201 v1(83.668,61.29)
SDA_M1: TP6.1 U1_M1.2 U1_M2.22 | length 29.4
  Top Layer w0.254: v1(51.836,59.59) 51.836,60.625 55.311,64.1 TP6.1
  Bottom Layer w0.254: U1_M2.22 51.796,59.55 v1(51.836,59.59) ; v1(55.916,64.016) 54.538,65.393 54.538,81.244 55.505,82.211 56.095,82.211 56.106,82.2 U1_M1.2
SDA_M2: TP5.1 U1_M2.2 U1_M3.22 | length 15.5
  Top Layer w0.254: v1(59,60) 62.765,60 63.265,60.5 69.599,60.5 v1(70.211,59.888)
  Bottom Layer w0.254: U1_M2.2 58.663,60.2 58.863,60 v1(59,60) ; v1(70.211,59.888) 70.167,59.843 70.46,59.55 U1_M3.22
SDA_M3: D2.1 R3.1 R5.2 U1_M3.2 | length 29.3
  Top Layer w0.254: v1@82.549,61.951 v1(82.62,61.951) 89.451,61.951 90,62.5 90,69 91.175,70.175 94.675,70.175 ; D2.1 95.431,71.5 95.58,71.351 95.58,71.08 94.675,70.175 ; R3.1 R5.2 94.675,70.175
  Bottom Layer w0.254: U1_M3.2 80.87,60.2 v1(82.62,61.951)
SDA_M4: TP7.1 U1_M1.22 U1_M4.2 | length 30.8
  Top Layer w0.254: v1(54,82.5) 63.322,82.5 63.5,82.678 ; TP7.1@63.5,83.5 63.5,82.678 ; v1(77.267,82.575) 77.191,82.5 63.678,82.5 63.5,82.678
  Bottom Layer w0.254: U1_M1.22 52.05,81.55 53,82.5 v1(54,82.5) ; v1(77.267,82.575) 77.325,82.517 78.029,82.517 78.346,82.2 U1_M4.2
SERIAL-IN: P1.3 R3.2 TP4.1 | length 6.3
  Top Layer w0.254: R3.2 P1.3 TP4.1
SERIAL-OUT_M4: TP8.1 U1_M4.22 | length 4.9
  Top Layer w0.254: TP8.1 v1(75,80.432)
  Bottom Layer w0.254: U1_M4.22 74.45,81.55 75,81 v1(75,80.432)
TEMPSENSOR_OUT: P1.2 R6.2 U2.3 | length 31.5
  Top Layer w0.254: U2.3 77.77,72.77 78,73 98.5,73 98.675,72.825 R6.2 102.46,71.5 P1.2
pads on no net: LED1_A1.3 LED1_A1.4 LED1_A2.3 LED1_A2.4 LED1_A3.3 LED1_A3.4 LED1_A4.3 LED1_A4.4 LED1_B1.3 LED1_B1.4 LED1_B2.3 LED1_B2.4 LED1_B3.3 LED1_B3.4 LED1_B4.3 LED1_B4.4 LED1_C1.3 LED1_C1.4 LED1_C2.3 LED1_C2.4 LED1_C3.3 LED1_C3.4 LED1_C4.3 LED1_C4.4 LED1_D1.3 LED1_D1.4 LED1_D2.3 LED1_D2.4 LED1_D3.3 LED1_D3.4 LED1_D4.3 LED1_D4.4 U2.2

## Polygon pours and split planes (outlines as drawn)
GND on Bottom Layer "GND_L02_P003" (solid, remove dead copper, pour order 3): 43.59,91.44 110.306,91.44 110.5,91.246 110.5,2.754 43.5,2.754
GND on Top Layer "GND_L01_P002" (solid, remove dead copper, pour order 2): 110.246,91.246 110.5,90.992 110.5,2.754 44.008,2.754 43.754,2.5 43.754,91.5

## Silkscreen, mask and mechanical layers (free items; w line width, h text height)
Top Overlay:
  text "M4_OUT12-15" at 65.71,82.364 h1.52
  text "M1_OUT0-3" at 56.871,82.313 h1.52
  text "M1_OUT12-15" at 46.584,82.288 h1.52
  text "M4_OUT0-3" at 82.245,81.958 h1.52
  text "GND" at 104.343,73.778 h1.52
  text "M1_OUT8-11" at 45.441,72.991 h1.52
  text "M4_OUT8-11" at 65.024,72.991 h1.52
  text "M1_OUT4-7" at 55.829,72.966 h1.52
  text "M4_OUT4-7" at 82.271,72.89 h1.52
  text "TEMP" at 104.267,71.323 h1.52
  text "S_IN" at 106.147,68.623 h1.52
  text "SCL" at 104.267,65.904 h1.52
  text "M2_OUR12-15" at 66.091,64.432 h1.52
  text "M2_OUT1-3" at 57.023,64.355 h1.52
  text "M2_OUT12-15" at 44.78,64.228 h1.52
  text "M3_OUT1-3" at 82.22,64.101 h1.52
  text "LATCH" at 104.343,63.541 h1.52
  text "ENABLE" at 104.318,60.985 h1.52
  text "3.3" at 104.47,58.436 h1.52
  text "M3_OUT8-11" at 72.644,54.246 h1.52
  text "M2_OUT4-7" at 64.135,45.382 h1.52
  text "M3_OUT4-7" at 82.702,45.382 h1.52
  text "M2_OUT9-11" at 45.771,45.102 h1.52
  text "JLCJLCJLCJLC" at 72.5,40.702 h1
Bottom Overlay:
  drawing of 31 lines, arcs and shapes, not listed
  text "E" at 60.265,85.815 h12.7 r180
  text "'.DrawingNumber'-'.Rev'" at 51.239,47.397 h1.27 r180
  text "SN:" at 57.5,36.81 h1.91 r180
Mechanical 1:
  lines w0.254: 39.5,34.754 ccw(c39.754,34.754) 39.754,34.5 112.246,34.5 ccw(c112.246,34.754) 112.5,34.754 112.5,91.246 ccw(c112.246,91.246) 112.246,91.5 39.754,91.5 ccw(c39.754,91.246) 39.5,91.246 39.5,34.754 ; 43.5,2.754 ccw(c43.754,2.754) 43.754,2.5 110.246,2.5 ccw(c110.246,2.754) 110.5,2.754 110.5,91.246 ccw(c110.246,91.246) 110.246,91.5 43.754,91.5 ccw(c43.754,91.246) 43.5,91.246 43.5,2.754

## Text inside footprints (layer, text, board x,y; h text height)
U1_M1: Bottom Overlay "*" at 58.8,83.8 h1.27; Bottom Assembly "*" at 56.65,82.183 h1.27
U1_M2: Bottom Overlay "*" at 58.124,61.155 h1.27; Bottom Assembly "*" at 56.65,60.183 h1.27
U1_M3: Bottom Overlay "*" at 80.124,61.155 h1.27; Bottom Assembly "*" at 78.65,60.183 h1.27
U1_M4: Bottom Overlay "*" at 81.3,83.9 h1.27; Bottom Assembly "*" at 78.65,82.183 h1.27